# KiCad board NoU2-panelized2.kicad_pcb (continued)
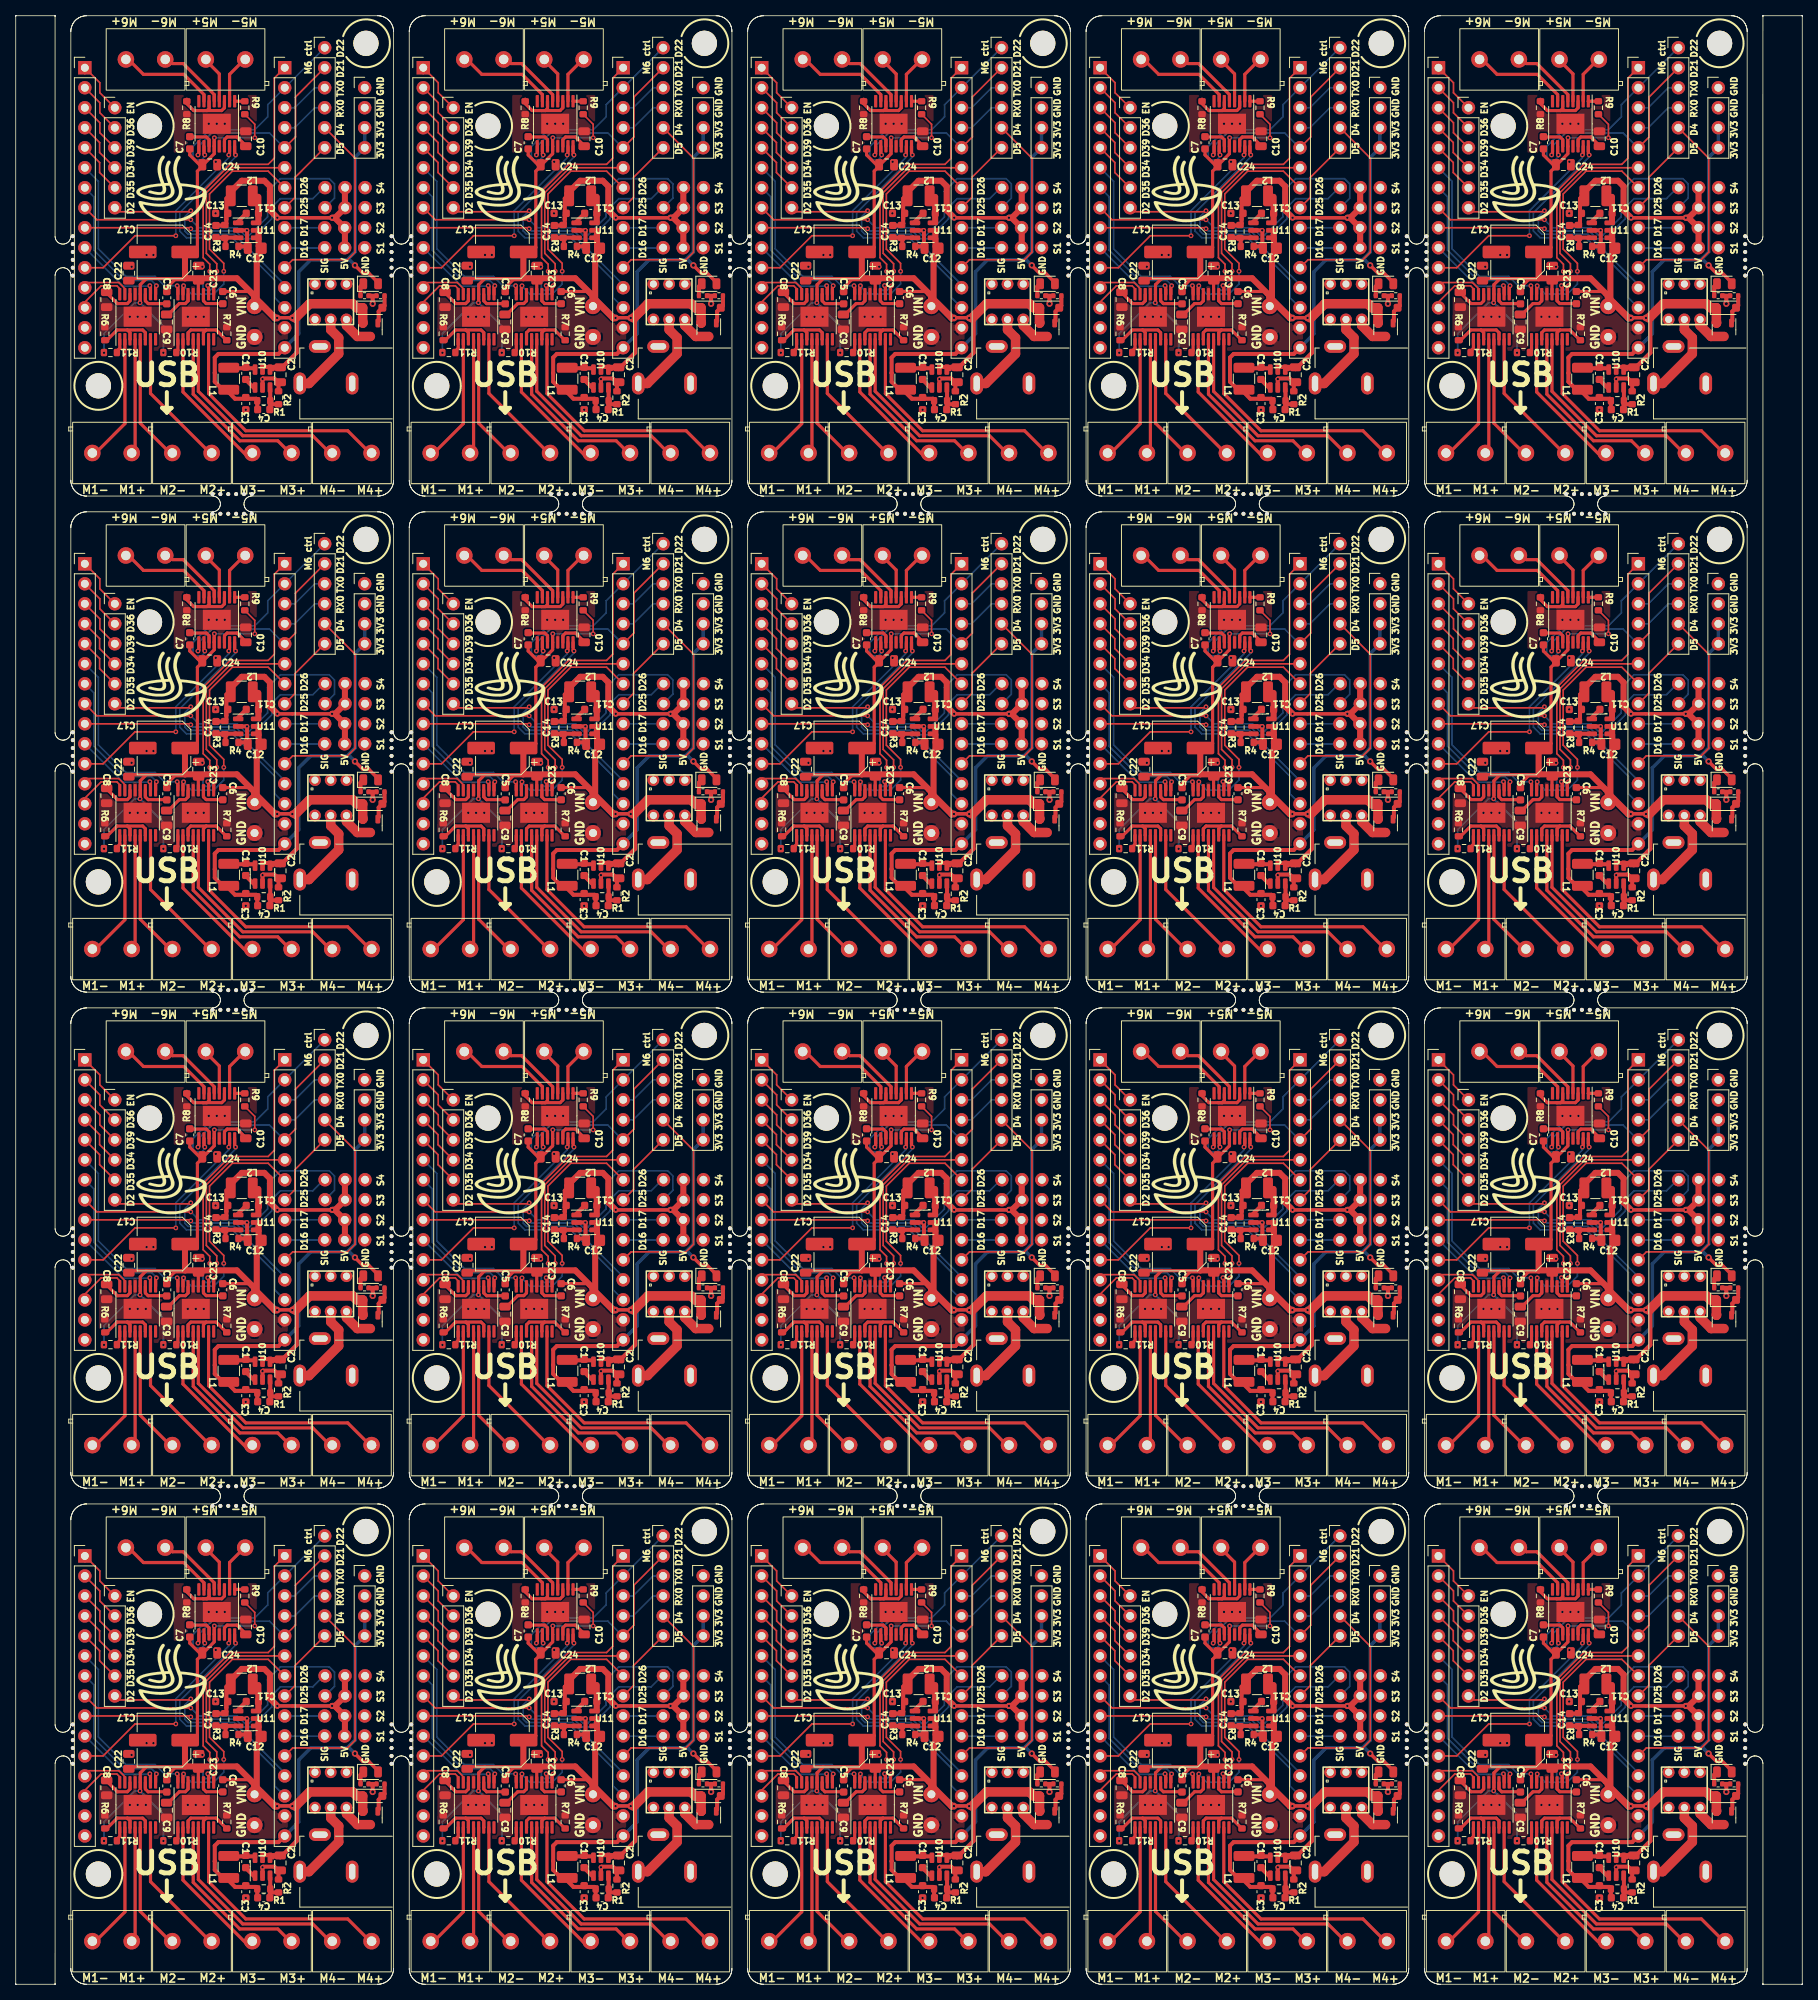
[diagram p0: board, top side]
## Routing (per net, layer and track width the routed paths; a pad name or vN(x,y) marks a point on that pad's centre or on a via; arc(x,y) is an arc through that point) (continued)
  Top w0.399: 59.47,214.64 59.47,213.79 59.82,213.44 62.16,213.44 C5#8.2
Board_1-Net-(U1-VINT): length 4.6
  Top w0.399: C8#7.1 54.55,214.81 55.91,213.45 57.18,213.45 57.52,213.79 57.52,214.64
Board_1-Net-(U2-AISEN): length 8.5
  Top w0.399: U2#16.3 69.52,238.3 69.17,237.96 66.79,237.96 ; 66.79,237.96 67.3,237.96 67.57,238.23 U2#16.6 ; 66.79,237.96 65.61,237.96 64.73,238.84 64.73,239.4
Board_1-Net-(U2-nSLEEP): length 1.3
  Top w0.399: U2#16.1 70.82,239.14 R9#4.1
Board_1-Net-(U2-VCP): length 3.5
  Top w0.399: C7#8.2 65.15,234.61 67.22,234.61 67.57,234.27 U2#16.11
Board_1-Net-(U2-VINT): length 4.2
  Top w0.399: U2#16.14 69.52,234.27 69.86,234.61 71.12,234.61 72.23,233.51 C10#15.1
Board_1-Net-(U3-AISEN): length 7.8
  Top w0.399: 67.19,210.1 68.47,210.1 69.69,208.89 69.69,208.66 ; 67.19,210.1 65.24,210.1 64.9,209.75 U3#5.3 64.9,208.91 ; 67.19,210.1 66.85,209.75 U3#5.6 66.84,208.9
Board_1-Net-(U3-nSLEEP): length 1.7
  Top w0.399: U3#5.1 63.6,207.53 63.4,207.33
Board_1-Net-(U3-VCP): length 3.4
  Top w0.399: C6#13.2 69.28,213.45 67.19,213.45 66.85,213.79 U3#5.11
Board_1-Net-(U3-VINT): length 4.3
  Top w0.399: C9#3.1 62.4,212.06 63.78,213.45 64.56,213.45 64.9,213.79 U3#5.14
Board_1-Net-(U10-BS): length 1.7
  Top w0.508: 72.2,203.8 73.37,202.63 ; 72.33,203.81 72.33,203.78
Board_1-Net-(U10-FB): length 4.1
  Top w0.508: C4#3.1 75.29,201.06 ; 75.29,201.06 R1#5.2 75.34,202.59 ; 75.29,201.06 75.29,200.84 75.46,200.66 R2#12.1 ; 75.41,201.06 75.46,201.11
Board_1-Net-(U10-LX): length 3.3
  Top w0.508: 73.43,205.23 70.15,205.23
Board_1-Net-(U11-BS): length 1.7
  Top w0.508: C11#18.2 71.08,223.7 71.06,223.7
Board_1-Net-(U11-FB): length 3.7
  Top w0.508: 71.06,221.8 71.04,221.82 C14#17.1 ; R3#2.2 69.65,221.69 R4#4.1
Board_1-Net-(U11-LX): length 3.5
  Top w0.508: 73.7,226.99 73.65,227.04 ; 73.68,224.75 C11#18.1 73.7,225.04
  Top w0.762: 73.83,223.81 73.83,224.86 ; 73.83,225.06 73.83,227
Board_1-RX0: length 6.1
  Bottom w0.203: J5#5.4 78.45,235.78 80.99,238.32 J1#8.4
Board_1-SRV1: length 5.1
  Top w0.203: 77.21,220.51 J5#5.10
  Bottom w0.203: 82.28,220.51 77.21,220.51
Board_1-SRV2: length 5.1
  Bottom w0.203: J5#5.9 82.25,223.08
Board_1-SRV3: length 41.8
  Top w0.203: J2#10.8 53.3,224.09 v2(65.24,224.09)
  Bottom w0.203: v2(65.24,224.09) 66.26,223.08 71.15,223.08 72.08,222.14 72.68,222.14 75,224.46 75,227.68 76.63,229.31 82.83,229.31 83.5,228.64 83.5,226.83 82.28,225.62
Board_1-SRV4: length 34.6
  Top w0.203: J2#10.9 65.15,223.08 v2(65.24,222.95)
  Bottom w0.203: v2(65.24,222.95) 65.52,222.67 70.91,222.67 71.91,221.68 72.99,221.68 75.53,224.22 75.53,225.67 76.63,226.77 80.75,226.77 82.13,228.16 82.28,228.16
Board_1-TX0: length 6.1
  Bottom w0.203: J5#5.3 78.45,238.32 80.99,240.86 J1#8.3
Board_1-VIN: length 119.5
  Top w0.203: v2(73.37,234.51) 73.37,236.22 R9#4.2
  Top w0.25: J14#11.1 73.74,213.51 73.74,214.1
  Top w0.399: C24#8.1 66.36,231.08 65.11,232.32 C7#8.1 ; C24#8.1 66.7,230.89 66.08,230.26 66.08,220.59 65.5,220 C17#4.1 ; C24#8.1 66.82,231.08 68.22,232.48 U2#16.12 68.21,233.43 68.21,234.51 ; 63.16,216.42 62.19,215.46 C5#8.1 ; 72.01,237.4 R9#4.2 ; 64.54,216.62 59.6,216.62 58.82,215.84 58.82,213.56 58.81,213.55 ; C6#13.1 72.78,214.98 73.04,214.72 ; 66.21,216.36 66.2,216.35 U3#5.12 ; C22#4.1 57.61,216.6 ; 57.65,216.62 59.63,216.62 ; 64.49,216.47 63.32,216.47
  Top w0.432: v2(76.21,211.62) 76.25,211.65 78.11,211.65 v2(78.14,211.62)
  Top w0.508: 74.65,205.4 75.27,205.4 ; 73.86,219.72 73.86,219.95 C12#9.2 ; 73.86,221.61 73.68,221.8 ; 75.53,205.27 75.69,205.11 ; 76.6,205.11 76.77,205.28 76.79,205.28 78.7,207.2 78.7,211.46 78.54,211.62 ; 76.52,205.41 75.61,205.41
  Top w0.762: C17#4.1 64.5,219.97 64.5,216.66 ; 73.85,221.7 73.85,222.65 ; 64.57,216.66 71.1,216.66 73.34,214.41 J14#11.1 73.62,213.4 73.62,219.48 73.86,219.72 73.86,221.61
  Top w0.864: v2(76.21,211.62) 75.93,211.62 73.34,214.21 73.34,214.41 ; 78.54,211.62 v2(78.14,211.62)
  Top w1.2: 87.11,211.12 Q1#13.2 87.09,211 D3#7.1 86.32,212.92 85.81,213.42 80.34,213.42 78.54,211.62
  Bottom w0.203: 68.21,234.51 v2(73.37,234.51) ; v2(54.22,207.2) 54.22,209.64 58.13,213.55 v2(58.79,213.55)
  Bottom w0.25: v2(58.79,213.55) 61.76,210.58 v2(61.76,207.2)
  Bottom w0.432: v2(76.21,211.62) 76.25,211.65 78.11,211.65 v2(78.14,211.62)
  vias: v2(68.24,234.51)
Board_2-3V3: length 60.9
  Top w0.432: v1(129.1,218.3) 130.1,217.3 130.85,217.3 132.04,216.11 D1#6.2
  Top w0.508: 113.07,202.37 112.94,202.5 112.94,202.29 113.87,201.36 116.56,201.36 116.81,201.11 ; 116.81,200.04 116.86,199.99 ; 113.2,202.25 112.56,202.25 111.29,203.52 111.29,204.63 111.29,204.63 111.29,206.59 111.75,207.05 119.39,207.05 J5#11.15 ; R1#9.1 116.69,200.04
  Bottom w0.432: J3#16.3 J3#16.4 129.11,232.01 129.11,220.01 128.12,219.01 ; v1(129.1,218.3) 128.39,219.01 128.12,219.01 ; 128.12,219.01 123.48,219.01 121.96,217.49 121.96,209.62 J5#11.15
Board_2-5V: length 40.3
  Top w0.432: v2(126.2,224.35) v2(119.24,224.35)
  Top w0.508: C14#6.2 112.5,223.37 R3#19.1 112.76,223.63 112.76,224.14 ; 113.11,227.14 112.76,226.79 112.76,224.14 ; 112.76,224.14 112.76,224.69 112.98,224.9 112.98,225.1
  Top w0.762: 127.82,220.51 127.82,223.05 126.53,224.35 v2(126.2,224.35) 126.58,224.35 127.82,225.59 127.82,228.16 ; v2(119.24,224.35) 118.3,225.29 118.3,228.33 117.59,229.05 115.58,229.05 115.58,229.05 114.72,229.05 113.11,227.43 113.11,227.14
  Bottom w0.432: v2(119.24,224.35) v2(126.2,224.35)
Board_2-/Sheet6057E9B8/D34: length 6.7
  Top w0.203: J4#5.4 96.66,232.63 96.66,233.9 J2#14.4
Board_2-/Sheet6057E9B8/D35: length 6.7
  Top w0.203: J4#5.5 96.66,230.09 96.66,231.36 J2#14.5
Board_2-/Sheet6057E9B8/D36: length 6.7
  Top w0.203: J2#14.2 96.68,238.95 96.68,237.68 J4#5.2
Board_2-/Sheet6057E9B8/D39: length 6.7
  Top w0.203: J4#5.3 96.68,235.14 96.68,236.41 J2#14.3
Board_2-/Sheet6057E9B8/EN: length 7.3
  Top w0.203: J4#5.1 96.68,240.22 96.68,241.49 J2#14.1
  Top w0.399: 94.78,242.76 J2#14.1
Board_2-D2: length 28.7
  Top w0.203: v2(108.24,225.24) 108.11,225.11 99.1,225.11 J4#5.6
  Bottom w0.203: J5#11.12 120.18,215.84 113.77,222.25 107.9,222.25 107.48,222.67 107.48,224.47 v2(108.24,225.24)
Board_2-D4: length 27.2
  Top w0.203: J5#11.11 121.19,219.01 128.15,219.01 129.12,219.98 129.12,231.92 J1#11.5
Board_2-D5: length 9.7
  Top w0.203: J5#11.8 121.5,226.94 121.5,229.48 J1#11.6
Board_2-GND: length 11.5
  Top w0.508: 115.32,199.98 115.33,199.98 ; R4#11.2 115.31,220.71 115.4,220.8 115.4,222.72 v2(115.38,222.75) 114.06,222.75 ; R5#19.2 131.1,214.44 ; 131.1,214.44 R14#16.2 ; 131.1,214.44 131.36,214.19 v1(131.36,213.42) ; R2#15.2 119.39,203.24 C2#17.1 119.33,203.46 118.86,203.93 117.43,203.93 v2(117.36,203.86) 117.36,202.61
  vias: v2(100.49,211.77) v2(100.72,218.12) v2(101.5,211.77) v2(102.53,211.77) v2(102.63,219.62) v2(103.49,219.62) v2(107.86,211.77) v2(108.88,211.77) v2(109.71,218.12) v2(109.89,211.77) v2(110.53,236.28) v2(111.42,231.46) v2(111.39,224.9) v2(111.54,236.28) v2(112.56,236.28) v2(115.23,199.96)
Board_2-M1A: length 6.9
  Top w0.203: 99.22,214.64 99.22,215.33 98.85,215.7 96.85,215.7 94.78,213.63 J2#14.13
Board_2-M1B: length 6.8
  Top w0.203: J2#14.12 94.78,216.12 99.1,216.12 99.87,215.34 99.87,214.64
Board_2-M2A: length 11.3
  Top w0.399: 103.03,215.66 103.12,215.57 103.12,214.64
  Bottom w0.203: J2#14.10 99.66,215.66 103.03,215.66
  vias: v2(103.03,215.72)
Board_2-M2B: length 19.4
  Top w0.399: 103.77,214.64 103.77,215.56 103.87,215.66
  Bottom w0.203: J2#14.7 95.93,227 95.93,220.22 99.78,216.37 103.26,216.37 103.87,215.76 v2(103.87,215.71) 103.87,215.66 103.87,215.72
Board_2-M3A: length 24
  Top w0.399: 106.51,215.66 106.6,215.57 U3#12.16
  Bottom w0.203: v2(106.51,215.72) 104.88,215.72 103.7,216.9 100,216.9 96.5,220.4 96.5,228.97 J2#14.6
Board_2-M3B: length 30.9
  Top w0.203: J5#11.7 118.07,230.26 113.52,230.26 110.62,227.36 110.62,220.36 112.43,218.55 v2(112.43,217.54) ; 107.25,215.58 107.33,215.66
  Top w0.399: U3#12.15 107.25,215.58
  Bottom w0.203: v2(112.43,217.54) 112.43,215.93 111.15,214.65 108.34,214.65 107.33,215.66
  vias: v2(107.33,215.71)
Board_2-M4A: length 25.2
  Top w0.203: J5#11.6 113.39,230.7 110.22,227.53 110.22,219.83 111.54,218.5 v2(111.54,217.54)
  Top w0.399: 110.4,215.66 110.5,215.56 U3#12.10
  Bottom w0.203: v2(111.54,217.54) 111.54,216.82 110.4,215.67 110.4,215.66
  vias: v2(110.4,215.74)
Board_2-M4B: length 38.7
  Top w0.203: v2(110.65,217.54) 110.65,218.44 109.82,219.28 109.82,227.7 113.24,231.13 118.07,231.13 118.86,231.92 118.86,242.08 J5#11.1
  Top w0.399: U3#12.9 111.15,215.55 111.26,215.66
  Bottom w0.203: v2(111.29,215.71) 110.71,215.13 110.11,215.13 109.79,215.44 109.79,216.12 110.65,216.98 v2(110.65,217.54)
Board_2-M5A: length 32.5
  Top w0.399: 113.93,232.37 v2(113.93,232.32) 113.82,232.43 U2#3.16
  Bottom w0.203: v2(113.93,232.32) 113.93,232.07 106.84,224.98 106.84,222.65 107.69,221.81 113.51,221.81 118.91,216.41 118.91,214.19 120.18,212.92 J5#11.13
Board_2-M5B: length 27.4
  Top w0.203: J2#14.11 97.1,218 101.16,222.06 v2(106.34,222.06)
  Top w0.399: 113.07,232.37 113.17,232.47 U2#3.15
  Bottom w0.203: 113.07,232.37 113.07,231.97 106.34,225.24 v2(106.34,222.06)
  vias: v2(113.07,232.32)
Board_2-M6A: length 27.3
  Top w0.203: 125.25,245.94 J1#11.1
  Top w0.399: 110.02,232.37 109.92,232.47 U2#3.10
  Bottom w0.203: v2(110.02,232.32) 110.02,232.12 109.59,231.69 108.85,231.69 108.53,232.02 108.53,233.39 110.65,235.52 116.37,235.52 118.02,237.17 118.02,238.7 J5#11.2 125.25,245.94
Board_2-M6B: length 26.9
  Top w0.203: J5#11.5 121.55,234.61 121.55,239.69 J1#11.2
  Top w0.399: U2#3.9 109.27,232.49 109.16,232.37
  Bottom w0.203: 109.16,232.37 109.27,232.49 109.27,233.46 110.92,235.11 118.24,235.11 120.11,233.24 J5#11.5
  vias: v2(109.16,232.32)
Board_2-Net-(D1-K): length 1.7
  Top w0.508: R14#16.1 129.81,215.61 D1#6.1
Board_2-Net-(D3-A): length 3.7
  Top w0.508: 132.01,211.12 132.12,211.23 132.12,212.45 D3#2.2 132.86,213.19 R5#19.1
Board_2-Net-(J10-Pad1): length 11.3
  Top w1.2: 122.08,203.3 123.26,203.3 127.04,207.07 127.04,209.11 126.02,210.12 U4#11.5
Board_2-Net-(J11-Pin_1): length 14.9
  Top w0.399: 101.17,208.91 101.17,194.42 100.88,194.12
Board_2-Net-(J11-Pin_2): length 16.5
  Top w0.399: 99.87,208.91 99.87,198.2 95.8,194.12
Board_2-Net-(J15-Pin_1): length 18.1
  Top w0.399: 103.12,208.91 103.12,202.03 111.03,194.12
Board_2-Net-(J15-Pin_2): length 16.5
  Top w0.399: 105.96,194.12 101.82,198.25 101.82,208.91
Board_2-Net-(J16-Pin_1): length 22.9
  Top w0.399: U3#12.4 108.55,201.94 114.47,196.02 119.3,196.02 121.19,194.12
Board_2-Net-(J16-Pin_2): length 18.9
  Top w0.399: U3#12.2 107.25,202.22 115.35,194.12 116.12,194.12
Board_2-Net-(J17-Pin_1): length 31
  Top w0.399: 131.36,194.12 128.18,197.3 115.23,197.3 110.5,202.02 U3#12.7
Board_2-Net-(J17-Pin_2): length 27.1
  Top w0.399: U3#12.5 109.2,202.3 114.84,196.66 123.74,196.66 126.28,194.12
Board_2-Net-(J18-Pin_1): length 6.4
  Top w0.399: 110.15,244.79 110.15,244.34 111.87,242.61 U2#3.4
Board_2-Net-(J18-Pin_2): length 6.5
  Top w0.399: 115.23,244.79 115.23,244.62 113.17,242.56 U2#3.2
Board_2-Net-(J19-Pin_1): length 12.8
  Top w0.399: 99.99,244.79 102.22,242.56 107.35,242.56 109.92,239.99 U2#3.7
Board_2-Net-(J19-Pin_2): length 9
  Top w0.399: U2#3.5 111.22,239.99 107.28,243.93 105.93,243.93 105.07,244.79
Board_2-Net-(Q1-D): length 4.4
  Top w1.2: Q1#4.3 129.41,209.27 128.02,210.66 U4#11.6
Board_2-Net-(U1-AISEN): length 7.8
  Top w0.399: 97.7,208.66 97.7,208.91 98.89,210.1 100.18,210.1 ; 100.52,208.91 100.52,208.91 100.52,209.75 100.18,210.1 ; 100.18,210.1 102.13,210.1 102.47,209.75 102.47,208.91 102.47,208.91
Board_2-Net-(U1-nSLEEP): length 1.8
  Top w0.399: 98.78,207.33 99.22,207.77 99.22,208.91
Board_2-Net-(U1-VCP): length 3.7
  Top w0.399: 102.47,214.64 102.47,213.79 102.82,213.44 105.16,213.44 C5#18.2
Board_2-Net-(U1-VINT): length 4.6
  Top w0.399: C8#15.1 97.55,214.81 98.91,213.45 100.18,213.45 100.52,213.79 100.52,214.64
Board_2-Net-(U2-AISEN): length 8.5
  Top w0.399: U2#3.3 112.52,238.3 112.17,237.96 109.79,237.96 ; 109.79,237.96 110.3,237.96 110.57,238.23 U2#3.6 ; 109.79,237.96 108.61,237.96 107.73,238.84 107.73,239.4
Board_2-Net-(U2-nSLEEP): length 1.3
  Top w0.399: U2#3.1 113.82,239.14 R9#9.1
Board_2-Net-(U2-VCP): length 3.5
  Top w0.399: C7#19.2 108.15,234.61 110.22,234.61 110.57,234.27 U2#3.11
Board_2-Net-(U2-VINT): length 4.2
  Top w0.399: U2#3.14 112.52,234.27 112.86,234.61 114.12,234.61 115.23,233.51 C10#7.1
Board_2-Net-(U3-AISEN): length 7.8
  Top w0.399: 110.19,210.1 111.47,210.1 112.69,208.89 112.69,208.66 ; 110.19,210.1 108.24,210.1 107.9,209.75 U3#12.3 107.9,208.91 ; 110.19,210.1 109.85,209.75 U3#12.6 109.84,208.9
Board_2-Net-(U3-nSLEEP): length 1.7
  Top w0.399: U3#12.1 106.6,207.53 106.4,207.33
Board_2-Net-(U3-VCP): length 3.4
  Top w0.399: C6.2 112.28,213.45 110.19,213.45 109.85,213.79 U3#12.11
Board_2-Net-(U3-VINT): length 4.3
  Top w0.399: C9#19.1 105.4,212.06 106.78,213.45 107.56,213.45 107.9,213.79 U3#12.14
Board_2-Net-(U10-BS): length 1.7
  Top w0.508: 115.2,203.8 116.37,202.63 ; 115.33,203.81 115.33,203.78
Board_2-Net-(U10-FB): length 4.1
  Top w0.508: C4#18.1 118.29,201.06 ; 118.29,201.06 R1#9.2 118.34,202.59 ; 118.29,201.06 118.29,200.84 118.46,200.66 R2#15.1 ; 118.41,201.06 118.46,201.11
Board_2-Net-(U10-LX): length 3.3
  Top w0.508: 116.43,205.23 113.15,205.23
Board_2-Net-(U11-BS): length 1.7
  Top w0.508: C11#17.2 114.08,223.7 114.06,223.7
Board_2-Net-(U11-FB): length 3.7
  Top w0.508: 114.06,221.8 114.04,221.82 C14#6.1 ; R3#19.2 112.65,221.69 R4#11.1
Board_2-Net-(U11-LX): length 3.5
  Top w0.508: 116.7,226.99 116.65,227.04 ; 116.68,224.75 C11#17.1 116.7,225.04
  Top w0.762: 116.83,223.81 116.83,224.86 ; 116.83,225.06 116.83,227
Board_2-RX0: length 6.1
  Bottom w0.203: J5#11.4 121.45,235.78 123.99,238.32 J1#11.4
Board_2-SRV1: length 5.1
  Top w0.203: 120.21,220.51 J5#11.10
  Bottom w0.203: 125.28,220.51 120.21,220.51
Board_2-SRV2: length 5.1
  Bottom w0.203: J5#11.9 125.25,223.08
Board_2-SRV3: length 41.8
  Top w0.203: J2#14.8 96.3,224.09 v2(108.24,224.09)
  Bottom w0.203: v2(108.24,224.09) 109.26,223.08 114.15,223.08 115.08,222.14 115.68,222.14 118,224.46 118,227.68 119.63,229.31 125.83,229.31 126.5,228.64 126.5,226.83 125.28,225.62
Board_2-SRV4: length 34.6
  Top w0.203: J2#14.9 108.15,223.08 v2(108.24,222.95)
  Bottom w0.203: v2(108.24,222.95) 108.52,222.67 113.91,222.67 114.91,221.68 115.99,221.68 118.53,224.22 118.53,225.67 119.63,226.77 123.75,226.77 125.13,228.16 125.28,228.16
Board_2-TX0: length 6.1
  Bottom w0.203: J5#11.3 121.45,238.32 123.99,240.86 J1#11.3
Board_2-VIN: length 119.5
  Top w0.203: v2(116.37,234.51) 116.37,236.22 R9#9.2
  Top w0.25: J14#4.1 116.74,213.51 116.74,214.1
  Top w0.399: C24#10.1 109.36,231.08 108.11,232.32 C7#19.1 ; C24#10.1 109.7,230.89 109.08,230.26 109.08,220.59 108.5,220 C17#14.1 ; C24#10.1 109.82,231.08 111.22,232.48 U2#3.12 111.21,233.43 111.21,234.51 ; 106.16,216.42 105.19,215.46 C5#18.1 ; 115.01,237.4 R9#9.2 ; 107.54,216.62 102.6,216.62 101.82,215.84 101.82,213.56 101.81,213.55 ; C6.1 115.78,214.98 116.04,214.72 ; 109.21,216.36 109.2,216.35 U3#12.12 ; C22#3.1 100.61,216.6 ; 100.65,216.62 102.63,216.62 ; 107.49,216.47 106.32,216.47
  Top w0.432: v2(119.21,211.62) 119.25,211.65 121.11,211.65 v2(121.14,211.62)
  Top w0.508: 117.65,205.4 118.27,205.4 ; 116.86,219.72 116.86,219.95 C12.2 ; 116.86,221.61 116.68,221.8 ; 118.53,205.27 118.69,205.11 ; 119.6,205.11 119.77,205.28 119.79,205.28 121.7,207.2 121.7,211.46 121.54,211.62 ; 119.52,205.41 118.61,205.41
  Top w0.762: C17#14.1 107.5,219.97 107.5,216.66 ; 116.85,221.7 116.85,222.65 ; 107.57,216.66 114.1,216.66 116.34,214.41 J14#4.1 116.62,213.4 116.62,219.48 116.86,219.72 116.86,221.61
  Top w0.864: v2(119.21,211.62) 118.93,211.62 116.34,214.21 116.34,214.41 ; 121.54,211.62 v2(121.14,211.62)
  Top w1.2: 130.11,211.12 Q1#4.2 130.09,211 D3#2.1 129.32,212.92 128.81,213.42 123.34,213.42 121.54,211.62
  Bottom w0.203: 111.21,234.51 v2(116.37,234.51) ; v2(97.22,207.2) 97.22,209.64 101.13,213.55 v2(101.79,213.55)
  Bottom w0.25: v2(101.79,213.55) 104.76,210.58 v2(104.76,207.2)
  Bottom w0.432: v2(119.21,211.62) 119.25,211.65 121.11,211.65 v2(121.14,211.62)
  vias: v2(111.24,234.51)
Board_3-3V3: length 60.9
  Top w0.432: v1(172.1,218.3) 173.1,217.3 173.85,217.3 175.04,216.11 D1#20.2
  Top w0.508: 156.07,202.37 155.94,202.5 155.94,202.29 156.87,201.36 159.56,201.36 159.81,201.11 ; 159.81,200.04 159.86,199.99 ; 156.2,202.25 155.56,202.25 154.29,203.52 154.29,204.63 154.29,204.63 154.29,206.59 154.75,207.05 162.39,207.05 J5.15 ; R1.1 159.69,200.04
  Bottom w0.432: J3#2.3 J3#2.4 172.11,232.01 172.11,220.01 171.12,219.01 ; v1(172.1,218.3) 171.39,219.01 171.12,219.01 ; 171.12,219.01 166.48,219.01 164.96,217.49 164.96,209.62 J5.15
Board_3-5V: length 40.3
  Top w0.432: v2(169.2,224.35) v2(162.24,224.35)
  Top w0.508: C14#18.2 155.5,223.37 R3.1 155.76,223.63 155.76,224.14 ; 156.11,227.14 155.76,226.79 155.76,224.14 ; 155.76,224.14 155.76,224.69 155.98,224.9 155.98,225.1
  Top w0.762: 170.82,220.51 170.82,223.05 169.53,224.35 v2(169.2,224.35) 169.58,224.35 170.82,225.59 170.82,228.16 ; v2(162.24,224.35) 161.3,225.29 161.3,228.33 160.59,229.05 158.58,229.05 158.58,229.05 157.72,229.05 156.11,227.43 156.11,227.14
  Bottom w0.432: v2(162.24,224.35) v2(169.2,224.35)
Board_3-/Sheet6057E9B8/D34: length 6.7
  Top w0.203: J4#8.4 139.66,232.63 139.66,233.9 J2#15.4
Board_3-/Sheet6057E9B8/D35: length 6.7
  Top w0.203: J4#8.5 139.66,230.09 139.66,231.36 J2#15.5
Board_3-/Sheet6057E9B8/D36: length 6.7
  Top w0.203: J2#15.2 139.68,238.95 139.68,237.68 J4#8.2
Board_3-/Sheet6057E9B8/D39: length 6.7
  Top w0.203: J4#8.3 139.68,235.14 139.68,236.41 J2#15.3
Board_3-/Sheet6057E9B8/EN: length 7.3
  Top w0.203: J4#8.1 139.68,240.22 139.68,241.49 J2#15.1
  Top w0.399: 137.78,242.76 J2#15.1
Board_3-D2: length 28.7
  Top w0.203: v2(151.24,225.24) 151.11,225.11 142.1,225.11 J4#8.6
  Bottom w0.203: J5.12 163.18,215.84 156.77,222.25 150.9,222.25 150.48,222.67 150.48,224.47 v2(151.24,225.24)
Board_3-D4: length 27.2
  Top w0.203: J5.11 164.19,219.01 171.15,219.01 172.12,219.98 172.12,231.92 J1#5.5
Board_3-D5: length 9.7
  Top w0.203: J5.8 164.5,226.94 164.5,229.48 J1#5.6
Board_3-GND: length 11.5
  Top w0.508: 158.32,199.98 158.33,199.98 ; R4#13.2 158.31,220.71 158.4,220.8 158.4,222.72 v2(158.38,222.75) 157.06,222.75 ; R5#15.2 174.1,214.44 ; 174.1,214.44 R14.2 ; 174.1,214.44 174.36,214.19 v1(174.36,213.42) ; R2#17.2 162.39,203.24 C2#9.1 162.33,203.46 161.86,203.93 160.43,203.93 v2(160.36,203.86) 160.36,202.61
  vias: v2(143.49,211.77) v2(143.72,218.12) v2(144.5,211.77) v2(145.53,211.77) v2(145.63,219.62) v2(146.49,219.62) v2(150.86,211.77) v2(151.88,211.77) v2(152.71,218.12) v2(152.89,211.77) v2(153.53,236.28) v2(154.42,231.46) v2(154.39,224.9) v2(154.54,236.28) v2(155.56,236.28) v2(158.23,199.96)
Board_3-M1A: length 6.9
  Top w0.203: 142.22,214.64 142.22,215.33 141.85,215.7 139.85,215.7 137.78,213.63 J2#15.13
Board_3-M1B: length 6.8
  Top w0.203: J2#15.12 137.78,216.12 142.1,216.12 142.87,215.34 142.87,214.64
Board_3-M2A: length 11.3
  Top w0.399: 146.03,215.66 146.12,215.57 146.12,214.64
  Bottom w0.203: J2#15.10 142.66,215.66 146.03,215.66
  vias: v2(146.03,215.72)
Board_3-M2B: length 19.4
  Top w0.399: 146.77,214.64 146.77,215.56 146.87,215.66
  Bottom w0.203: J2#15.7 138.93,227 138.93,220.22 142.78,216.37 146.26,216.37 146.87,215.76 v2(146.87,215.71) 146.87,215.66 146.87,215.72
Board_3-M3A: length 24
  Top w0.399: 149.51,215.66 149.6,215.57 U3#13.16
  Bottom w0.203: v2(149.51,215.72) 147.88,215.72 146.7,216.9 143,216.9 139.5,220.4 139.5,228.97 J2#15.6
Board_3-M3B: length 30.9
  Top w0.203: J5.7 161.07,230.26 156.52,230.26 153.62,227.36 153.62,220.36 155.43,218.55 v2(155.43,217.54) ; 150.25,215.58 150.33,215.66
  Top w0.399: U3#13.15 150.25,215.58
  Bottom w0.203: v2(155.43,217.54) 155.43,215.93 154.15,214.65 151.34,214.65 150.33,215.66
  vias: v2(150.33,215.71)
Board_3-M4A: length 25.2
  Top w0.203: J5.6 156.39,230.7 153.22,227.53 153.22,219.83 154.54,218.5 v2(154.54,217.54)
  Top w0.399: 153.4,215.66 153.5,215.56 U3#13.10
  Bottom w0.203: v2(154.54,217.54) 154.54,216.82 153.4,215.67 153.4,215.66
  vias: v2(153.4,215.74)
Board_3-M4B: length 38.7
  Top w0.203: v2(153.65,217.54) 153.65,218.44 152.82,219.28 152.82,227.7 156.24,231.13 161.07,231.13 161.86,231.92 161.86,242.08 J5.1
  Top w0.399: U3#13.9 154.15,215.55 154.26,215.66
  Bottom w0.203: v2(154.29,215.71) 153.71,215.13 153.11,215.13 152.79,215.44 152.79,216.12 153.65,216.98 v2(153.65,217.54)
Board_3-M5A: length 32.5
  Top w0.399: 156.93,232.37 v2(156.93,232.32) 156.82,232.43 U2#4.16
  Bottom w0.203: v2(156.93,232.32) 156.93,232.07 149.84,224.98 149.84,222.65 150.69,221.81 156.51,221.81 161.91,216.41 161.91,214.19 163.18,212.92 J5.13
Board_3-M5B: length 27.4
  Top w0.203: J2#15.11 140.1,218 144.16,222.06 v2(149.34,222.06)
  Top w0.399: 156.07,232.37 156.17,232.47 U2#4.15
  Bottom w0.203: 156.07,232.37 156.07,231.97 149.34,225.24 v2(149.34,222.06)
  vias: v2(156.07,232.32)
Board_3-M6A: length 27.3
  Top w0.203: 168.25,245.94 J1#5.1
  Top w0.399: 153.02,232.37 152.92,232.47 U2#4.10
  Bottom w0.203: v2(153.02,232.32) 153.02,232.12 152.59,231.69 151.85,231.69 151.53,232.02 151.53,233.39 153.65,235.52 159.37,235.52 161.02,237.17 161.02,238.7 J5.2 168.25,245.94
Board_3-M6B: length 26.9
  Top w0.203: J5.5 164.55,234.61 164.55,239.69 J1#5.2
  Top w0.399: U2#4.9 152.27,232.49 152.16,232.37
  Bottom w0.203: 152.16,232.37 152.27,232.49 152.27,233.46 153.92,235.11 161.24,235.11 163.11,233.24 J5.5
  vias: v2(152.16,232.32)
Board_3-Net-(D1-K): length 1.7
  Top w0.508: R14.1 172.81,215.61 D1#20.1
Board_3-Net-(D3-A): length 3.7
  Top w0.508: 175.01,211.12 175.12,211.23 175.12,212.45 D3#17.2 175.86,213.19 R5#15.1
Board_3-Net-(J10-Pad1): length 11.3
  Top w1.2: 165.08,203.3 166.26,203.3 170.04,207.07 170.04,209.11 169.02,210.12 U4#17.5
Board_3-Net-(J11-Pin_1): length 14.9
  Top w0.399: 144.17,208.91 144.17,194.42 143.88,194.12
Board_3-Net-(J11-Pin_2): length 16.5
  Top w0.399: 142.87,208.91 142.87,198.2 138.8,194.12
Board_3-Net-(J15-Pin_1): length 18.1
  Top w0.399: 146.12,208.91 146.12,202.03 154.03,194.12
Board_3-Net-(J15-Pin_2): length 16.5
  Top w0.399: 148.96,194.12 144.82,198.25 144.82,208.91
Board_3-Net-(J16-Pin_1): length 22.9
  Top w0.399: U3#13.4 151.55,201.94 157.47,196.02 162.3,196.02 164.19,194.12
Board_3-Net-(J16-Pin_2): length 18.9
  Top w0.399: U3#13.2 150.25,202.22 158.35,194.12 159.12,194.12
Board_3-Net-(J17-Pin_1): length 31
  Top w0.399: 174.36,194.12 171.18,197.3 158.23,197.3 153.5,202.02 U3#13.7
Board_3-Net-(J17-Pin_2): length 27.1
  Top w0.399: U3#13.5 152.2,202.3 157.84,196.66 166.74,196.66 169.28,194.12
Board_3-Net-(J18-Pin_1): length 6.4
  Top w0.399: 153.15,244.79 153.15,244.34 154.87,242.61 U2#4.4
Board_3-Net-(J18-Pin_2): length 6.5
  Top w0.399: 158.23,244.79 158.23,244.62 156.17,242.56 U2#4.2
Board_3-Net-(J19-Pin_1): length 12.8
  Top w0.399: 142.99,244.79 145.22,242.56 150.35,242.56 152.92,239.99 U2#4.7
Board_3-Net-(J19-Pin_2): length 9
  Top w0.399: U2#4.5 154.22,239.99 150.28,243.93 148.93,243.93 148.07,244.79
Board_3-Net-(Q1-D): length 4.4
  Top w1.2: Q1#10.3 172.41,209.27 171.02,210.66 U4#17.6
Board_3-Net-(U1-AISEN): length 7.8
  Top w0.399: 140.7,208.66 140.7,208.91 141.89,210.1 143.18,210.1 ; 143.52,208.91 143.52,208.91 143.52,209.75 143.18,210.1 ; 143.18,210.1 145.13,210.1 145.47,209.75 145.47,208.91 145.47,208.91
Board_3-Net-(U1-nSLEEP): length 1.8
  Top w0.399: 141.78,207.33 142.22,207.77 142.22,208.91
Board_3-Net-(U1-VCP): length 3.7
  Top w0.399: 145.47,214.64 145.47,213.79 145.82,213.44 148.16,213.44 C5#6.2
Board_3-Net-(U1-VINT): length 4.6
  Top w0.399: C8#3.1 140.55,214.81 141.91,213.45 143.18,213.45 143.52,213.79 143.52,214.64
Board_3-Net-(U2-AISEN): length 8.5
  Top w0.399: U2#4.3 155.52,238.3 155.17,237.96 152.79,237.96 ; 152.79,237.96 153.3,237.96 153.57,238.23 U2#4.6 ; 152.79,237.96 151.61,237.96 150.73,238.84 150.73,239.4
Board_3-Net-(U2-nSLEEP): length 1.3
  Top w0.399: U2#4.1 156.82,239.14 R9#14.1
Board_3-Net-(U2-VCP): length 3.5
  Top w0.399: C7#6.2 151.15,234.61 153.22,234.61 153.57,234.27 U2#4.11
Board_3-Net-(U2-VINT): length 4.2
  Top w0.399: U2#4.14 155.52,234.27 155.86,234.61 157.12,234.61 158.23,233.51 C10#4.1
Board_3-Net-(U3-AISEN): length 7.8
  Top w0.399: 153.19,210.1 154.47,210.1 155.69,208.89 155.69,208.66 ; 153.19,210.1 151.24,210.1 150.9,209.75 U3#13.3 150.9,208.91 ; 153.19,210.1 152.85,209.75 U3#13.6 152.84,208.9
Board_3-Net-(U3-nSLEEP): length 1.7
  Top w0.399: U3#13.1 149.6,207.53 149.4,207.33
Board_3-Net-(U3-VCP): length 3.4
  Top w0.399: C6#9.2 155.28,213.45 153.19,213.45 152.85,213.79 U3#13.11
Board_3-Net-(U3-VINT): length 4.3
  Top w0.399: C9#12.1 148.4,212.06 149.78,213.45 150.56,213.45 150.9,213.79 U3#13.14
Board_3-Net-(U10-BS): length 1.7
  Top w0.508: 158.2,203.8 159.37,202.63 ; 158.33,203.81 158.33,203.78
Board_3-Net-(U10-FB): length 4.1
  Top w0.508: C4#10.1 161.29,201.06 ; 161.29,201.06 R1.2 161.34,202.59 ; 161.29,201.06 161.29,200.84 161.46,200.66 R2#17.1 ; 161.41,201.06 161.46,201.11
Board_3-Net-(U10-LX): length 3.3
  Top w0.508: 159.43,205.23 156.15,205.23
